# Altium PCB TEL-GPRS-BT-V1_0 Rev1.PcbDoc (part 1 of 2) (continued)
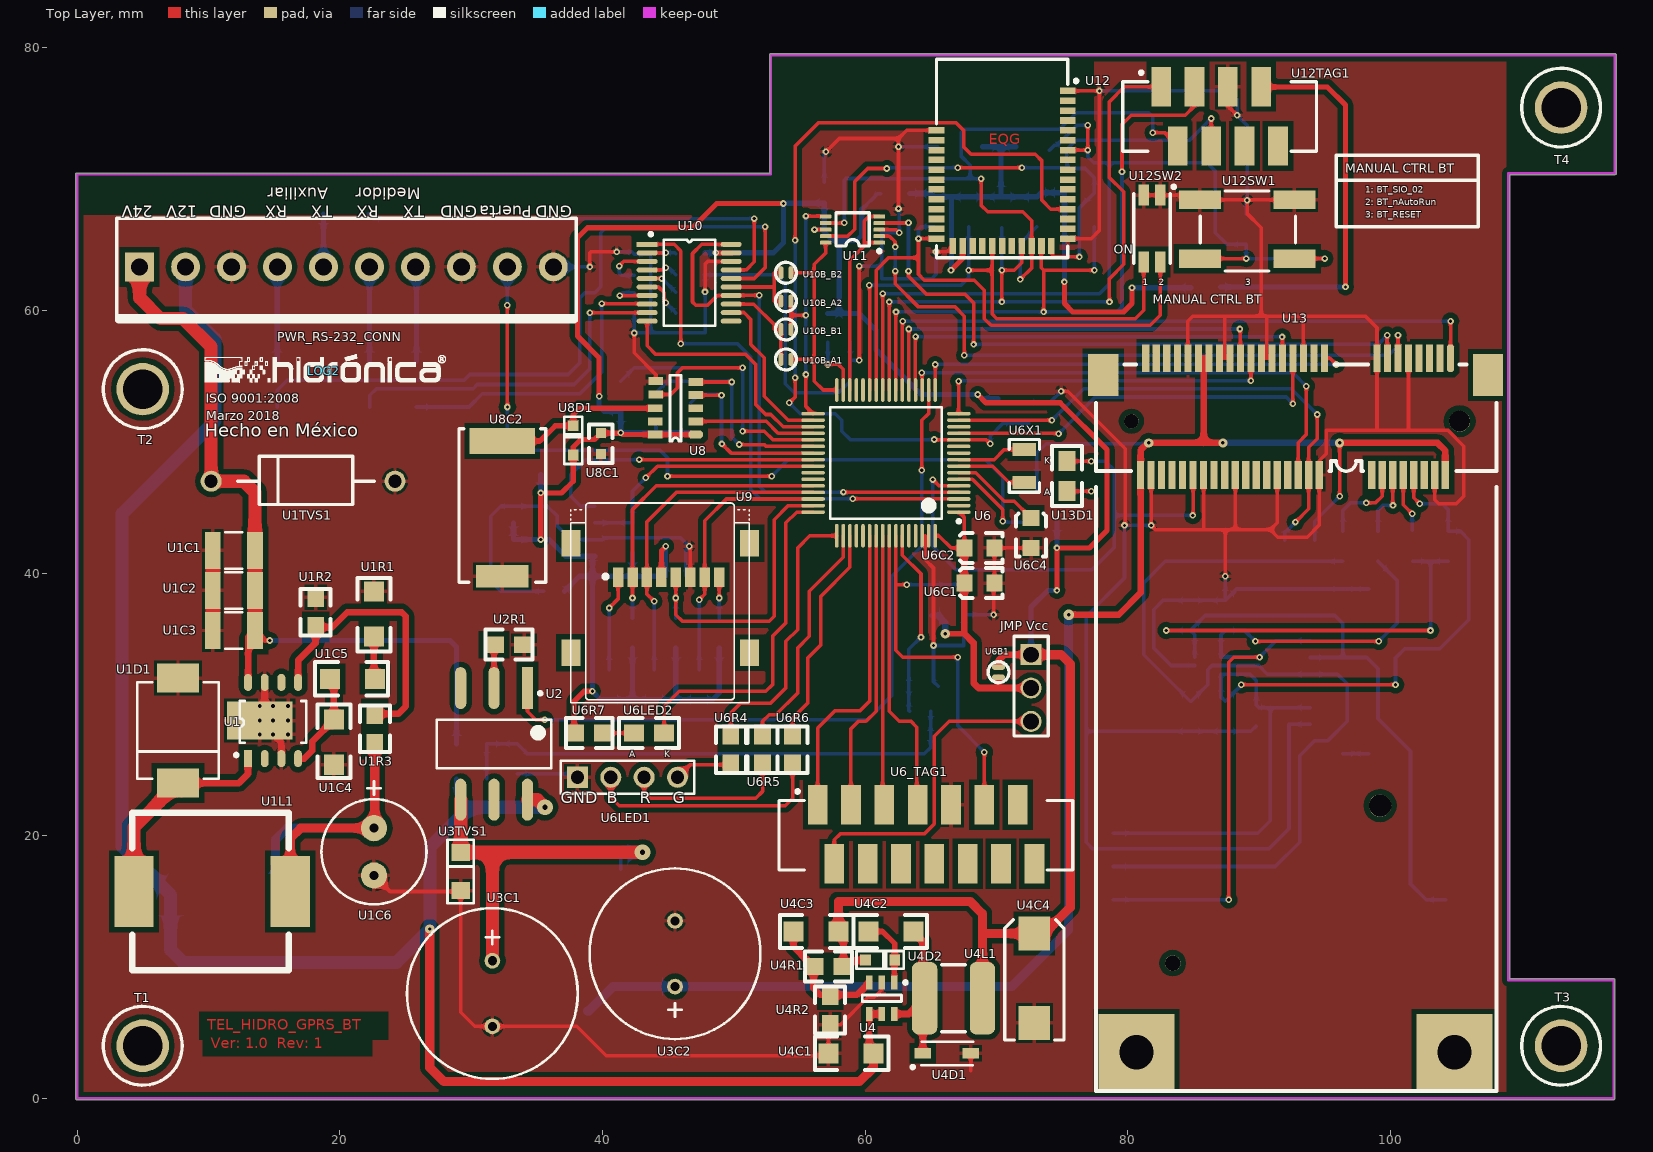
[diagram p0: Top Layer view]
## Footprints (in the part's own frame and the unit in brackets; to place one, negate y for a bottom-side part, rotate by r counter-clockwise, add the part's x,y. Pads: shape width x height; smd on the part's side, far side on the other; paste and mask are expansions set on the pad)
7X-1.8432MBC-T [mm]
  rect 1.4x1.2 smd: 1(0,0) 2(2.2,0) 3(2.2,1.7) 4(0,1.7)
  silkscreen extent -1.14,-1.02 2.7,2.1
"430 473 031 826" [mm] "6x6 mm SMD J-Bend washable WS-TASV White"
  rect 3.2x1.4 smd: 1(-3.6,-2.25) 1(3.6,-2.25) 2(-3.6,2.25) 2(3.6,2.25)
  silkscreen extent -3.56,-3.17 3.68,2.92, body extent -3.47,-3.1 3.73,3.1, height 3.1
"0603 - CAP" [mil]
  rect 30x30 smd: 1(-31.5,0) 2(31.5,0)
  silkscreen extent -58,-35 58,35, body extent -34,-15 29,16, height 12
0603-RES [mil]
  rect 30x30 smd: 1(-31.5,0) 2(31.5,0)
  silkscreen extent -58,-35 58,35, body extent -34,-16 29,16, height 18
0805-cap [mil]
  rect 60x50 smd: 1(0,0) 2(90,0)
  silkscreen extent -25,-45 115,45, body extent 6,-25 84,24, height 31
0805-LEDG [mil]
  rect 60x50 smd: 1(0,0) 2(90,0)
  silkscreen extent -45,-45 135,45, body extent 5,-25 85,24
0805-RES [mil]
  rect 60x50 smd: 1(0,0) 2(90,0)
  silkscreen extent -25,-45 115,45, body extent 0,-27 90,27, height 30
0805-tan [mm]
  rect 1.2x1.27 smd: 1(0,0) 2(2.286,0)
  silkscreen extent -0.32,-1.14 2.92,1.14, body extent 0.02,-0.64 2.27,0.71, height 1.35
0805-TAN [mm]
  rect 1.2x1.27 smd: 1(0,0) 2(2.286,0)
  silkscreen extent -0.32,-1.14 2.92,1.14, body extent 0.02,-0.64 2.27,0.71, height 1.35
1206-CAP [mil]
  rect 60x60 smd: 1(0,0) 2(135,0)
  silkscreen extent -40,-50 180,50, body extent 7,-30 133,33, height 63
1206-cap [mil]
  rect 60x60 smd: 1(0,0) 2(135,0)
  silkscreen extent -40,-50 180,50, body extent 7,-30 133,33, height 63
1206-IND [mil]
  rect 60x60 smd: 1(0,0) 2(135,0)
  silkscreen extent -40,-50 180,50, body extent 2,-31 128,31, height 43
1206-RES [mil]
  rect 60x60 smd: 1(0,0) 2(135,0)
  silkscreen extent -40,-50 180,50, body extent -1,-34 131,34, height 33
1210-CAP [mm]
  rect 1.2x2.8 smd: 1(-1.6,0) 2(1.6,0)
  silkscreen extent -0.64,-1.4 0.64,1.4, body extent -1.6,-1.25 1.6,1.25, height 2.5
1280-IND [mm]
  rect 3x5.4 smd: 1(-1,0) 2(10.9,-0.009)
  silkscreen extent -1.14,-6 10.79,6, body extent -1.17,-6 10.83,6, height 7.95
7343-31 [mm]
  rect 2.6x2.39 smd: 1(3.4,0) 2(-3.4,0)
  silkscreen extent -4.7,-2.25 4.44,2.25, body extent -3.8,-2.29 3.8,2.31, height 3.1
784774033 [mm]
  rrect50% 1.925x5.5 smd: 1(-2.2,0) 2(2.2,0)
  silkscreen extent -0.89,-2.54 0.89,2.54, body extent -2.89,-2.6 2.9,2.6, height 4.5
0786463001-SIM [mm]
  rect 1.4x0.65 smd: 1(-0.3,2.755) 2(-0.3,0.215) 3(-0.3,-2.325) 5(-0.3,4.025) 6(-0.3,1.485) 7(-0.3,-1.055)
  rect 1.3x0.45 smd: 5(2.17,-6.27) 5(2.17,6.27) 5(4.17,-6.27) 5(4.17,6.27)
  rect 1.7x1.4 smd: 5(13.73,-6.11) 5(13.73,6.11)
  rect 0.8x0.54 smd: X(13.15,-2.54) X(13.15,2.54)
  silkscreen extent 0,-6.35 14.73,6.35, body extent -0.38,-6.53 15.07,6.52, height 1.46
690367290876 [mm] "Würth Elektronic UDE Female SMD Stright Connector"
  rect 1.5x3 smd: 1(0,4.5) 2(1.27,0) 3(2.54,4.5) 4(3.81,0) 5(5.08,4.5) 6(6.35,0) 7(7.62,4.5) 8(8.89,0)
  silkscreen extent -2.94,-0.4 11.83,5.71
690367291476 [mm] "Würth Elektronic UDE Female SMD Stright Connector"
  rect 1.5x3 smd: 1(0,0) 2(1.27,-4.5) 3(2.54,0) 4(3.81,-4.5) 5(5.08,0) 6(6.35,-4.5) 7(7.62,0) 8(8.89,-4.5) 9(10.16,0) 10(11.43,-4.5) 11(12.7,0) 12(13.97,-4.5) 13(15.24,0) 14(16.51,-4.5)
  silkscreen extent -2.94,-4.97 19.43,1.14
691214110002x2_691214110003x2 [mm] "10 Position Wire to Board Terminal Block Horizontal with Board 0.200\" (5.08mm) Through Hole"
  round 0.6 on Top Overlay: 1(-18.161,3.175)
  rect 2.2x2.2 hole 1.3: 1(-15.75,0)
  round 2.2 hole 1.3: 2(-12.25,0) 3(-8.75,0) 4(-5.25,0) 5(-1.75,0) 6(1.75,0) 7(5.25,0) 8(8.75,0) 9(12.25,0) 10(15.75,0)
  silkscreen extent -17.5,-4.19 17.5,3.7
693072010801 [mm] "WR-CRD Micro SD_Hinge_8 pins"
  rect 0.8x1.5 smd: 1(-3.601,5.028) 2(-4.701,5.028) 3(-5.801,5.028) 4(-6.901,5.028) 5(-8.001,5.028) 6(-9.101,5.028) 7(-10.201,5.028) 8(-11.301,5.028)
  rect 1.45x2 smd: Z1(-13.601,10.778) Z2(-0.001,10.778) Z3(-13.601,2.428) Z4(-0.001,2.428)
  silkscreen extent -13.6,-0.62 0,14.58, body extent -14.05,0.88 0.45,14.58, height 1.78
ADG836 [mm]
  rrect50% 0.305x0.889 smd: 1(0,0) 2(0.5,0) 3(1,0) 4(1.5,0) 5(2,0) 6(2,4.089) 7(1.5,4.089) 8(1,4.089) 9(0.5,4.089) 10(0,4.089)
  silkscreen extent -0.76,-0.13 2.29,3.3
BT652 [mm] "Laird BL652 Bluetooth Module BLE"
  rect 1.2x0.5 smd: 1(0,0) 2(0,0.75) 3(0,1.5) 4(0,2.25) 5(0,3) 6(0,3.75) 7(0,4.5) 8(0,5.25) 9(0,6) 10(0,6.75) 11(0,7.5) 12(0,8.25) 13(0,9) 14(0,9.75) 15(0,10.5) 16(0,11.25) 28(10,11.25) 29(10,10.5) 30(10,9.75) 31(10,9) 32(10,8.25) 33(10,7.5) 34(10,6.75) 35(10,6) 36(10,5.25) 37(10,4.5) 38(10,3.75) 39(10,3)
  rect 0.5x1.2 smd: 17(1.25,11.8) 18(2,11.8) 19(2.75,11.8) 20(3.5,11.8) 21(4.25,11.8) 22(5,11.8) 23(5.75,11.8) 24(6.5,11.8) 25(7.25,11.8) 26(8,11.8) 27(8.75,11.8)
  silkscreen extent -0.76,-2.41 10,12.7, body extent 0,-2.3 10,11.7, height 2.1
"BYPASS BRIDGE" [mm]
  oval 0.4x1 smd: 1(-0.381,0) 2(0.381,0)
  silkscreen extent -0.8,-0.8 0.8,0.8
CAP-12.5X20X5 [mm]
  round 1.2 hole 0.7: 1(0,0) 2(5,0)
  silkscreen extent -4,-6.5 9,6.5, body extent -3.96,-6.48 8.98,6.48, height 22
CAPPR3.5-8x11.5 [mm]
  round 2 hole 0.7: 1(0,0) 2(3.6,0)
  silkscreen extent -3.56,-4 5.8,4, body extent -2.21,-4.03 5.84,4.03, height 11.83
CHS-02TA [mm]
  rect 0.8x1.6 smd: 1(0,0) 2(1.27,0) 3(1.27,5.08) 4(0,5.08)
  silkscreen extent -1.14,-0.76 2.03,5.21
D2PAK3-TO263 [mm] "D-PAK, 3-Pads, Body 6.2x6.7mm (max), IPC Medium Density"
  rect 3.81x1.05 smd: 1(-4.35,2.54) 3(-4.35,-2.54)
  rect 8.89x11.43 smd: 2(6.429,0)
  silkscreen extent -4.47,-3.35 -1.6,3.48, body extent -5.6,-5.08 9.66,5.08, height 4.98
DO-15 [mm]
  round 1.6 hole 1: 1(-7,0) 2(7,0)
  silkscreen extent -5.44,-1.91 4.98,1.78, body extent -7.23,-1.79 7.23,1.78, height 4.29
DO-214AB [mm]
  rect 2.2x3.2 smd: 1(4,0) 2(-4,0)
  silkscreen extent -3.68,-3.11 3.68,3.11, body extent -4.06,-3.05 4.06,3.05, height 2.4
DO-219AB [mm]
  rect 1.3x1.4 smd: 1(1.45,0) 2(-1.45,0)
  silkscreen extent -2.41,-1 2.41,1, body extent -1.95,-0.95 1.95,0.95, height 1.25
DSK-3R3H224U-HL [mm]
  rect 5x2 smd: 1(0,5.151)
  rect 4x1.7 smd: 2(0,-5.151)
  silkscreen extent -3.3,-5.59 3.3,6.1, body extent -3.4,-5.59 3.4,6.11, height 2.8
HDR1X3 [mm] "2.54mm THT Pin Header WR-PHD 3 terminales"
  rect 1.6x1.6 hole 1.2: 1(-2.54,0)
  round 1.6 hole 1.2: 2(0,0) 3(2.54,0)
  silkscreen extent -3.94,-1.3 3.65,1.3, body extent -3.94,-1.35 3.68,1.19, height 8.62
HDR1X4 [mm] "2.54mm THT Pin Header WR-PHD 4 pins"
  rect 1.6x1.6 hole 1: 1(-3.81,0)
  round 1.6 hole 1: 2(-1.27,0) 3(1.27,0) 4(3.81,0)
  silkscreen extent -5.08,-1.27 5.08,1.27, body extent -5.08,-1.27 5.08,1.27, height 8.62
"Logo HIDRONICA" [mm]
  silkscreen extent -9.09,-0.84 9.27,1.27
LQFP-64 [mm] "TSQFP, 64-Leads, Body 12.2x12.2mm (max), Pitch 0.50mm, IPC Medium Density"
  oval 1.8x0.27 smd: 1(-5.55,3.75) 2(-5.55,3.25) 3(-5.55,2.75) 4(-5.55,2.25) 5(-5.55,1.75) 6(-5.55,1.25) 7(-5.55,0.75) 8(-5.55,0.25) 9(-5.55,-0.25) 10(-5.55,-0.75) 11(-5.55,-1.25) 12(-5.55,-1.75) 13(-5.55,-2.25) 14(-5.55,-2.75) 15(-5.55,-3.25) 16(-5.55,-3.75) 33(5.55,-3.75) 34(5.55,-3.25) 35(5.55,-2.75) 36(5.55,-2.25) 37(5.55,-1.75) 38(5.55,-1.25) 39(5.55,-0.75) 40(5.55,-0.25) 41(5.55,0.25) 42(5.55,0.75) 43(5.55,1.25) 44(5.55,1.75) 45(5.55,2.25) 46(5.55,2.75) 47(5.55,3.25) 48(5.55,3.75)
  oval 0.27x1.8 smd: 17(-3.75,-5.55) 18(-3.25,-5.55) 19(-2.75,-5.55) 20(-2.25,-5.55) 21(-1.75,-5.55) 22(-1.25,-5.55) 23(-0.75,-5.55) 24(-0.25,-5.55) 25(0.25,-5.55) 26(0.75,-5.55) 27(1.25,-5.55) 28(1.75,-5.55) 29(2.25,-5.55) 30(2.75,-5.55) 31(3.25,-5.55) 32(3.75,-5.55) 49(3.75,5.55) 50(3.25,5.55) 51(2.75,5.55) 52(2.25,5.55) 53(1.75,5.55) 54(1.25,5.55) 55(0.75,5.55) 56(0.25,5.55) 57(-0.25,5.55) 58(-0.75,5.55) 59(-1.25,5.55) 60(-1.75,5.55) 61(-2.25,5.55) 62(-2.75,5.55) 63(-3.25,5.55) 64(-3.75,5.55)
  silkscreen extent -5.68,-4.25 4.25,4.57, body extent -6,-5.95 6,6.05, height 1.5
MINIPCI-52 [mm]
  oct 0.55x2.1 smd: 1(0.7,-4.8)
  rect 0.55x2.1 smd: 2(1.1,4.1) 3(1.5,-4.8) 4(1.9,4.1) 5(2.3,-4.8) 6(2.7,4.1) 7(3.1,-4.8) 8(3.5,4.1) 9(3.9,-4.8) 10(4.3,4.1) 11(4.7,-4.8) 12(5.1,4.1) 13(5.5,-4.8) 14(5.9,4.1) 15(6.3,-4.8) 16(6.7,4.1) 17(10.3,-4.8) 18(10.7,4.1) 19(11.1,-4.8) 20(11.5,4.1) 21(11.9,-4.8) 22(12.3,4.1) 23(12.7,-4.8) 24(13.1,4.1) 25(13.5,-4.8) 26(13.9,4.1) 27(14.3,-4.8) 28(14.7,4.1) 29(15.1,-4.8) 30(15.5,4.1) 31(15.9,-4.8) 32(16.3,4.1) 33(16.7,-4.8) 34(17.1,4.1) 35(17.5,-4.8) 36(17.9,4.1) 37(18.3,-4.8) 38(18.7,4.1) 39(19.1,-4.8) 40(19.5,4.1) 41(19.9,-4.8) 42(20.3,4.1) 43(20.7,-4.8) 44(21.1,4.1) 45(21.5,-4.8) 46(21.9,4.1) 47(22.3,-4.8) 48(22.7,4.1) 49(23.1,-4.8) 50(23.5,4.1) 51(23.9,-4.8) 52(24.3,4.1)
  rect 2.3x3.2 smd: ""(-2.15,-3.5) ""(27.15,-3.5)
  round 1.6 hole 1.6 unplated: ""(0,0)
  rect 5.8x5.8 hole 2.6: ""(0.4,48.05) ""(24.6,48.05)
  round 1.1 hole 1.1 unplated: ""(25,0)
  silkscreen extent -2.79,-4.32 27.69,51, body extent -2.41,-4.67 27.49,4.42, height 4.1
RV-3029-C2 [mm]
  oct 1.1x0.6 smd: 1(0,0)
  rect 1.1x0.6 smd: 2(0,-1) 3(0,-2) 4(0,-3) 5(0,-4) 6(3.048,-4.064) 7(3.048,-3.048) 8(3.1,-2) 9(3.1,-1) 10(3.1,0)
  silkscreen extent 1.13,-4.5 1.96,0.5, body extent 0,-4.5 3.2,0.5, height 1.18
SC70-6 [mm] "6-Leads, Body 2.2x2.5mm (max), Pitch 0.65mm, IPC Medium Density"
  rect 1x0.4 smd: 1(-1,0.65) 2(-1,0) 3(-1,-0.65) 4(1,-0.65) 5(1,0) 6(1,0.65)
  silkscreen extent -1.12,-1.1 0.1,1.52, body extent -1.2,-1.1 1.2,1.1, height 1.1
SIM-6 [mm]
  round 1.7 hole 1.7: 0(-2.1,4.98)
  round 1.2 hole 1.2: 0(9.9,20.78)
  rect 1.4x1.8 smd: 1(0,25.3) 2(2.54,25.3) 3(5.08,25.3) 5(0,0) 6(2.54,0) 7(5.08,0)
  silkscreen extent -4.83,-3.81 12.45,25.91, body extent -4.79,-3.8 12.41,25.9, height 2.35
SOD-123 [mm]
  rect 1.25x0.8 smd: 1(-1.825,0) 2(1.825,0)
  silkscreen extent -2,-0.89 2.72,1.17, body extent -1.94,-0.94 1.91,0.76, height 1.42
SOD-323 [mm]
  rect 0.83x0.83 smd: 1(-1.112,0) 2(1.112,0)
  silkscreen extent -1.8,-0.67 1.8,0.67, body extent -1.3,-0.68 1.3,0.68, height 1.1
SOIC-8 [mm]
  rect 1.5x0.6 smd: 1(-3.1,1.905)
  oval 1.5x0.6 smd: 2(-3.1,0.635) 3(-3.1,-0.635) 4(-3.1,-1.905) 5(3.1,-1.905) 6(3.1,-0.635) 7(3.1,0.635) 8(3.1,1.905)
  silkscreen extent -2.6,-2.54 1.64,2.93, body extent -3,-2.45 3,2.45, height 1.7
SOIC-8-T [mm]
  rect 1.3x0.6 smd: 1(-2.9,1.905)
  oval 1.3x0.6 smd: 2(-2.9,0.635) 3(-2.9,-0.635) 4(-2.9,-1.905) 5(2.9,-1.905) 6(2.9,-0.635) 7(2.9,0.635) 8(2.9,1.905)
  round 0.6 hole 0.3: 9(-1.049,-1.143) 9(-1.049,0) 9(-1.049,1.016) 9(0,1.016) 9(0,0) 9(0,-1.143) 9(1.11,-1.143) 9(1.11,0) 9(1.11,1.016)
  rect 2.9x5 smd: 9(0,1.005)
  silkscreen extent -2.75,-2.54 1.49,2.93, body extent -3.16,-2.45 2.84,2.45, height 1.7
SOP-6 [mm] "SOP, 6-Leads, Body 8.55x6.40mm, Pitch 2.54mm, IPC Medium Density"
  rect 3.2x0.85 smd: 1(-4.25,2.54)
  oval 3.2x0.85 smd: 2(-4.25,0) 3(-4.25,-2.54) 4(4.25,-2.54) 5(4.25,0) 6(4.25,2.54)
  silkscreen extent -3.97,-4.35 1.85,4.35, body extent -4.51,-4.26 4.66,4.25, height 4.1
SOT23-6 [mm]
  rect 1.1x0.5 smd: 1(-1.2,0.95) 2(-1.2,0) 3(-1.2,-0.95) 4(1.2,-0.95) 5(1.2,0) 6(1.2,0.95)
  silkscreen extent -1.32,-1.5 0.25,1.93, body extent -1.4,-1.5 1.4,1.5, height 0.86
Tornillo [mm]
  round 4 hole 3 unplated: 1(0,0)
  silkscreen extent -3,-3 3,3, body extent -2.67,-2.67 2.67,2.67, height 2.01
TSSOP-20 [mm]
  rect 1.6x0.38 smd: 1(-3.2,2.925)
  oval 1.6x0.38 smd: 2(-3.2,2.275) 3(-3.2,1.625) 4(-3.2,0.975) 5(-3.2,0.325) 6(-3.2,-0.325) 7(-3.2,-0.975) 8(-3.2,-1.625) 9(-3.2,-2.275) 10(-3.2,-2.925) 11(3.2,-2.925) 12(3.2,-2.275) 13(3.2,-1.625) 14(3.2,-0.975) 15(3.2,-0.325) 16(3.2,0.325) 17(3.2,0.975) 18(3.2,1.625) 19(3.2,2.275) 20(3.2,2.925)
  silkscreen extent -3.04,-3.29 1.99,3.82, body extent -3.28,-3.3 3.27,3.3, height 1.2
"XTAL SMD 3.2 X 1.5" [mm] "XTAL SMD 32.768 KHz 3.2 x 1.5 x 0.9 mm"
  rect 1x1.8 smd: 1(0,0) 2(2.5,0)
  silkscreen extent -0.76,-1.14 3.25,1.14

## Part data
"JMP Vcc": library part CON3, "2.54mm THT Pin Header WR-PHD 3 terminales"
LOG2: library part Logotipo, "No Aplica"
PWR_RS-232_CONN: library part "Header 10H", "10 Position Wire to Board Terminal Block Horizontal with Board 0.200\" (5.08mm) Through Hole"
T1 T2 T3 T4: library part PRUEBA, "No Aplica"
U1: library part L5973AD, "IC REG SW 2A STEPDOWN 8-SOIC"
U1C1 U1C2 U1C3: library part Cap, "CAP CER 10UF 50V Y5V 1210"
U1C4: library part Cap, "CAP CERAMIC 220PF 50V NP0 1206"
U1C5: library part Cap, "CAP 22000PF 50V CERAMIC X7R 1206"
U1C6: library part Cap2, "Capacitor"
U1D1: library part "D Schottky", "DIODE SCHOTTKY 60V 5A SMC"
U1D2: library part Diode, "DIODE SCHOTTKY 3A 40V SMC"
U1L1: library part IND, "WE-PD SMD Shielded Power Inductor 100uH"
U1R1: library part Res1, "RES 4.7K OHM 1/4W 5% 1206 SMD"
U1R2: library part Res1, "RES 2.70K OHM 1/8W 1% 0805 SMD"
U1R3: library part Res1
U1TVS1: library part Tranzorb, "TVS 33 VOLT 600 WATT UNI-DIR TRANZORB"
U2: library part "Opto TRIAC", "RELAY OPTOMOS 1.8A SPST-NO 6-SMD"
U2R1: library part Res1, "RES SMD 1.2K OHM 1% 1/8W 0805"
U3: library part LD1117A, "Linear Voltage Regulator IC Positive Fixed 1 Output 3.3V 3A DDPAK/TO-263-3"
U3C1 U3C2: library part "Cap Pol1", "470µF 50V Aluminum Capacitors Radial, Can 27 mOhm @ 100kHz 5000 Hrs @ 105°C"
U3TVS1: library part Tranzorb, "TVS DIODE 18VWM 29.2VC SMF"
U4: library part LT1934, "LINEAR TECHNOLOGY  LT1934  IC REG BUCK ADJ 0.3A SOT23-6"
U4C1: library part Cap, "CAP CER 2.2UF 50V 10% X5R 1206"
U4C2: library part Cap, "CAP CER 0.22UF 50V 10% X7R 1206"
U4C3: library part Cap, "CAP CER 10PF 50V 10% NP0 1206"
U4C4: library part "Cap Pol1", "CAP TANT 100UF 16V 10% 2917"
U4D1: library part "D Schottky", "DIODE SCHOTTKY 40V 500MA SOD123"
U4D2: library part "D Schottky", "DIODE SCHOTTKY 30V 100MA SOD323"
U4L1: library part Inductor, "WE-PD2A SMD Power Inductor"
U4R1: library part Res1, "RES SMD 1M OHM 0.1% 1/8W 0805"
U4R2: library part Res1, "RES SMD 604K OHM 0.1% 1/8W 0805"
U5C1: library part Cap, "CAP CER 0.22UF 16V 10% X7R 0603"
U5D1: library part "D Zener", "PANASONIC ELECTRONIC COMPONENTS  DZ2J030M0L  DIODE, ZENER, 3.0V, SMINI2-F5-B"
U5R1: library part Res1, "VISHAY  CRCW08054M22FKEA  Resistencia SMD Chip, Película Gruesa, 4.22 Mohm, 150 V, 0805 [2012 Metric], 125 mW, ± 1%"
U5R2: library part Res1, "VISHAY  CRCW08051M00FKEB  Resistencia SMD Chip, Película Gruesa, 1 Mohm, 150 V, 0805 [2012 Metric], 125 mW, ± 1%"
U5R3: library part Res1, "VISHAY  CRCW080510M0JNEA  Resistencia SMD Chip, Película Gruesa, 10 Mohm, 150 V, 0805 [2012 Metric], 125 mW, ± 5%"
U5R4: library part Res1, "YAGEO  RC0603JR-07390RL  Resistencia SMD Chip, Película Gruesa, Serie RC, 390 ohm, 50 V, 0603 [1608 Metric], 100 mW, ± 5%"
U6: library part MSP430F16xx, "IC MCU 16BIT 48K FLASH 64-LQFP"
U6_TAG1: library part CON14, "2.54mm SMT Dual Pin Header WR-PHD 2x7 pin"
U6B1 U10B_A1 U10B_A2 U10B_B1 U10B_B2: library part Res1, "No Aplica"
U6C1 U6C2 U6C3 U6C4 U12C2: library part "Cap Pol1", "AVX - TACU105M016X - CAP TANT 1UF, 16V, 7.5OHM, 0805"
U6C5 U7C1 U8C1 U9C1 U10C1 U10C2 U10C3 U10C4 U10C5 U11C1 U14C1: library part Cap, "MULTICOMP - MC0603B104K500CT - CAP CERAMIC 0.1UF, 50V, X7R, 0603"
U6LED1: library part RGB-Catodo, "KINGBRIGHT  L-154A4SURKQBDZGW  LED, RGB, Rojo, Verde, Azul, Through Hole, T-1 3/4 (5mm), 60 °, Abovedada, R 20mA, G 20mA, B 20mA"
U6LED2 U13D1: "WL-SMCW SMD mono-color chip LED waterclear 0805 Green"
U6R1 U6R3: library part Res1, "VISHAY DALE  VISHAY DALE  CRCW1206100KFKEA  RESISTOR, THICK FILM, 100KOHM, 500mW, 1%"
U6R2 U7R1 U7R2 U8R1 U8R2 U8R3 U9R1 U9R2 U9R3 U9R4 U9R5 U9R6 U13R1 U13R3: library part RES1, "PANASONIC ELECTRONIC COMPONENTS  ERJ-8GEYJ103V  THICK FILM CHIP RESISTOR, 10 KOHM, 0.1 W, 0.5%"
U6R4 U6R5 U6R6: library part Res1, "RES SMD 3.3K OHM 5% 1/8W 0805"
U6R7 U13R2: library part Res1, "PANASONIC ELECTRONIC COMPONENTS  ERJ-6GEYJ821V  Resistencia SMD Chip, Película Gruesa, 820 ohm, 150 V, 0805 [2012 Metric], 125 mW, ± 5%"
U6X1: library part CRYSTAL, "Crystal 32.7680kHz 20ppm 12.5pF 50 kOhm -40°C - 85°C Surface Mount Cylindrical Can, Radial"
U7: library part AT24C1024BN-SH-B, "IC EEPROM 1MBIT 1MHZ 8SOIC"
U8: library part "RV-3029-C2 B", "MICRO CRYSTAL - RV-3029-C2 OPTION B - REAL-TIME-CLOCK, SMD, I2C, 32.768KHZ"
U8C2: library part Cap2, "CAP 220MF -20% +80% 3.3V SMD"
U8D1 U12D1 U12D2: library part 10MQ060N, "DIODE SCHOTTKY 1A 20V SOD-323"
U9: "WR-CRD Micro SD_Hinge"
U10: "IC LINE DRVR/RCVR RS232 20-TSSOP"
U10L1 U10L2 U10L3 U10L4: library part Inductor, "FERRITE BEAD 1000 OHM .20A 1206"
U12: library part BL652_SA
U12C1: library part Cap2, "CAP TANTALUM 10UF 6.3V 10% SMD"
U12R1 U12R2 U12R3 U12R4 U12R5 U12R6 U12R7: library part Res1, "RES SMD 4.7K OHM 5% 1/8W 0805"
U12SW1: library part SW-PB, "SWITCH LT 6MM 130GF H=3.1MM SMD"
U12SW2: "DIP Switch, 2 Position, SPST"
U12TAG1: "Header, 4-Pin, Dual row"
U13: library part PCIM, "Mini PCIe"
U14_A: library part "Header 6", "'6 Position Card Connector Micro SIM Surface Mount, Right Angle Gold"
U14_B: library part "Header 6", "6 Position Card Connector SIM Card Surface Mount, Right Angle Gold"
U14C2 U14C3 U14C4 U14C5: library part Cap, "33pF 50V Ceramic Capacitor C0G, NP0 0805 (2012 Metric) 0.079\" L x 0.049\" W (2.00mm x 1.25mm)"
U14R1: library part Res1, "RES SMD 15K OHM 1% 1/8W 0805"
U14R2 U14R3 U14R4: library part Res1, "RES SMD 22 OHM 1% 1/8W 0805"
U14TVS1: library part "Header 6", "TVS DIODE 5VWM 12.5VC SC70-6"

## Via types
v1: diameter 0.5, hole 0.25, Top Layer to Bottom Layer, tented both sides, 153 vias
v2: diameter 0.7, hole 0.25, Top Layer to Bottom Layer, tented both sides, 5 vias
v3: diameter 1.2, hole 0.4, Top Layer to Bottom Layer, tented both sides, 2 vias
v4: diameter 0.8, hole 0.25, Top Layer to Bottom Layer, tented both sides, 1 vias

## Nets (pads, with @x,y where several pads share a name; then routed paths per layer and width w, separated by ;. In a path a pad name is that pad's centre, name@x,y a point inside that pad or via, vN(x,y) a via of type N, cw(c..) or ccw(c..) an arc to the next point about the centre after c; other vN are vias at no path point)
3.3V: "JMP Vcc.1" U4C3.2 U4C4.1 U4D2.1 U4L1.2 U4R1.2 U6B1.2 U6R2.2 U6R3.2 U6R7.2 U6X2.1 U6X2.4 U7.2 U7.3 U7.8 U7C1.2 U7R1.2 U7R2.2 U8.1 U8.10 U8C1.1 U8D1.1 U8R1.2 U8R2.2 U8R3.1 U9.4 U9C1.1 U9R1.2 U9R2.2 U9R3.2 U9R4.2 U9R5.2 U9R6.2 U10.19 U10C1.2 U11.8 U11C1.2 U12D1.1 | length 255.8
  Top Layer w0.27: v1(41.402,50.673) v1@41.529,50.546 ; v1(48.641,64.389) v1@48.652,64.378 ; v1(56.15,66.151) U11.8@56.998,66.151
  Top Layer w0.4: v1(35.306,42.545) v1(35.306,46.101) 36.893,46.101 37.782,46.99 U8D1.1@37.782,48.989 37.782,49.593 38.354,50.165 39.395,50.165 U8C1.1@39.878,50.648 v1@41.377,50.648 ; U6R7.2@37.846,27.813 37.846,30.226 38.608,30.988 v1(39.243,30.988) ; v1(39.751,53.467) 39.751,56.388 38.1,58.039 38.1,65.532 38.862,66.294 46.863,66.294 48.704,68.135 v1(53.785,68.135) ; v1@41.529,50.546 U8.10@44.017,50.546 U8.1@47.117,50.546 ; U9.4@44.493,39.676 44.493,41.699 v1(44.831,42.037) ; v1@48.652,64.378 U10.19@49.809,64.378 ; v1(68.58,53.594) 69.215,52.959 74.867,52.959 78.422,49.403 78.422,43.243 77.089,41.91 v1(74.612,41.91) v1(74.612,38.672) ; U6B1.2@70.168,32.829 70.168,33.337
  Top Layer w0.5: U4C3.2@57.975,12.7 58.356,12.319 U4R1.2@58.356,10.033 58.801,10.477 U4D2.1@59.975,10.477 ; 70.168,33.337 70.612,33.782 72.644,33.782 ; U4C4.1@72.898,12.544 U4C4.1@73.631,12.544
  Top Layer w0.7: U4C3.2@57.975,12.7 57.975,14.986 68.008,14.986 68.939,14.056 U4L1.2@68.939,7.62 ; 68.967,12.544 U4C4.1@72.898,12.544 ; 72.644,33.782 74.93,33.782 75.629,33.084 75.629,14.541 U4C4.1@73.631,12.544
  Bottom Layer w0.27: U7.8@39.243,41.096 U7.8@39.422,41.275 ; U8R2.2@44.069,50.673 U8R2.2@44.069,51.435 ; v1@44.793,41.999 v1(44.831,42.037) ; U10C1.2@47.752,64.3 U10C1.2@47.841,64.389 ; 59.753,67.691 60.96,68.897 U12D1.1@61.181,68.897
  Bottom Layer w0.4: U7.3@33.222,43.815 U7.2@33.222,42.545 v1(35.306,42.545) 35.941,42.545 37.211,41.275 U7.8@39.422,41.275 ; v1(35.306,46.101) U7R2.2@35.306,47.498 ; U7C1.2@37.122,38.608 38.265,39.751 39.243,39.751 ; U7.8@39.243,41.096 39.243,39.751 ; v1(39.751,53.467) 39.751,52.705 40.132,52.324 U8R3.1@41.402,52.324 v1(41.402,50.673) 44.069,50.673 U8R1.2@46.736,50.673 ; U9R2.2@42.291,34.29 42.291,30.353 ; U7R1.2@42.291,41.529 42.291,39.751 ; v1@44.793,41.999 U9C1.1@44.793,39.751 42.291,39.751 ; U9R4.2@45.593,34.29 45.593,30.353 ; U10C1.2@47.841,64.389 v1(48.641,64.389) 53.023,64.389 53.785,65.151 v1(53.785,68.135) ; U9R6.2@48.895,34.29 48.895,30.861 48.387,30.353 U9R5.2@47.371,30.353 45.593,30.353 ; v1@53.785,68.161 U11C1.2@56.896,68.161 56.896,65.977 57.531,65.341 59.372,65.341 59.753,65.722 59.753,67.691 ; v1(56.15,66.151) 56.721,66.151 ; U6X2.4@57.165,59.753 U6X2.1@58.864,59.753 59.563,59.753 60.833,58.483 60.833,57.023 64.262,53.594 v1(68.58,53.594) 68.897,53.276 U6R2.2@70.104,53.276 ; 58.039,59.753 58.039,65.341 ; 72.644,33.782 72.644,37.401 73.914,38.672 v1(74.612,38.672) ; v1(74.612,41.91) U6R3.2@74.612,43.879 ; 39.243,39.751 42.291,39.751 ; 39.243,39.751 v1(39.243,30.988) 39.878,30.353 U9R1.2@40.513,30.353 42.291,30.353 ; 42.291,30.353 45.593,30.353
3.3V_USB: U12D2.1 U12TAG1.7 | length 30.3
  Top Layer w0.4: U12TAG1.7@90.17,77.017 95.195,77.017 96.584,75.629 v1(96.584,61.785)
  Bottom Layer w0.4: U12D2.1@87.091,61.785 v1(96.584,61.785)
3.3VP: U3.2 U3C2.1 U13.2 U13.39 U13.41 U13.52 U13R1.2 U13R2.2 U13R3.2 | length 132.9
  Top Layer w0.27: v1(96.139,45.847) v2(96.139,49.911)
  Top Layer w0.5: v4(75.501,36.83) 79.311,36.83 80.983,38.502 U13.52@80.983,47.462 80.983,49.36 v2@81.539,49.916 ; v2@81.597,49.916 85.788,49.916 ; U13.41@85.383,56.362 85.788,56.362 ; U13.39@86.183,56.362 85.788,56.362 ; v2@87.244,49.916 85.788,49.916 ; v2(96.139,49.911) 103.591,49.911 104.183,49.319 U13.2@104.183,47.462 ; 85.788,49.916 85.788,56.362
  Bottom Layer w0.27: U13R2.2@73.088,46.228 U13R3.2@73.088,48.514 73.088,49.149 73.787,49.847 81.534,49.847 v2(81.597,49.911) ; U13R1.2@94.234,42.481 94.234,43.942 v1(96.139,45.847)
  Bottom Layer w0.5: v2(87.249,49.911) v2(96.139,49.911)
  Bottom Layer w0.7: U3.2@38.862,6.652 38.974,6.652 40.831,8.509 U3C2.1@45.529,8.509 71.183,8.509 75.501,12.827 v4(75.501,36.83)
7.2V-12V: PWR_RS-232_CONN.2 U1D2.2 U2.6 U4.4 U4.5 U4C1.2 U5R1.2 | length 149.3
  Top Layer w0.27: U2.6@34.29,22.733 U2.6@34.29,22.738 ; U4C1.2@60.328,3.744 U4C1.2@60.642,3.429
  Top Layer w0.5: U4C1.2@60.328,3.744 U4.4@60.328,6.42 U4.5@61.277,6.42
  Top Layer w0.7: v2(26.86,12.89) 26.86,2.349 27.94,1.27 59.563,1.27 60.642,2.349 U4C1.2@60.642,3.429
  Top Layer w1: U2.6@34.29,22.738 35.047,22.738 v3(35.623,22.162)
  Bottom Layer w0.4: U5R1.2@28.892,24.32 28.892,23.177 29.909,22.162
  Bottom Layer w1: PWR_RS-232_CONN.2@8.261,63.309 8.26,60.066 10.477,57.848 10.477,51.562 3.429,44.514 3.429,19.178 U1D2.2@7.113,15.494 7.113,11.302 8.064,10.351 24.32,10.351 v2(26.86,12.89) 26.86,19.113 29.909,22.162 v3(35.623,22.162)
24-32V: PWR_RS-232_CONN.1@4.761,63.309 U1.8 U1C1.2 U1C2.2 U1C3.2 U1TVS1.2 U5R3.2 | length 61.2
  Top Layer w0.4: U1C3.2@13.538,35.623 14.3,34.861 v1(14.668,34.861)
  Top Layer w0.5: U1.8@13.018,31.665 13.018,35.103 U1C3.2@13.538,35.623
  Top Layer w1: PWR_RS-232_CONN.1@4.761,63.309 4.761,60.962 6.35,59.372 8.064,59.372 10.208,57.229 U1TVS1.2@10.208,46.99 12.7,46.99 13.538,46.152 U1C1.2@13.538,41.719 U1C2.2@13.538,38.672 U1C3.2@13.538,35.623
  Bottom Layer w0.4: v1(14.668,34.861) 28.384,34.861 28.892,34.353 U5R3.2@28.892,26.988
BT_CTS: U6.23 U12.18 U12R5.2 U12TAG1.3 | length 57.1
  Top Layer w0.27: U6.23@62.345,53.937 62.345,59.868 v1(62.357,59.88) ; U12.18@73.438,64.908 73.406,64.876 73.406,63.246 73.596,63.055 ; v1(73.596,59.88) 73.596,63.055 ; v1(77.47,63.055) 73.596,63.055 ; v1(79.566,70.549) 79.566,74.168 80.264,74.867 84.391,74.867 85.09,75.565 U12TAG1.3@85.09,77.017
  Bottom Layer w0.27: v1(62.357,59.88) v1(73.596,59.88) 79.184,59.88 79.566,60.261 v1(79.566,70.549) ; v1(77.47,63.055) U12R5.2@77.47,66.358
BT_DETECT_CONN: U6.12 U6C5.1 U6R2.1 U12.13 | length 67.4
  Top Layer w0.27: v1(54.229,52.959) 54.673,53.404 v1(54.673,54.864) ; v1(54.673,65.341) 54.673,72.517 56.451,74.295 66.929,74.295 67.501,73.724 67.501,72.453 68.072,71.882 72.962,71.882 73.469,71.374 73.469,68.389 74.151,67.708 U12.13@75.438,67.708 ; v1(65.278,50.165) 65.306,50.137 U6.12@67.145,50.137 69.243,50.137 v1(69.532,49.847)
  Bottom Layer w0.27: v1(54.229,52.959) 55.054,52.133 57.721,52.133 58.229,51.625 58.229,50.8 58.864,50.165 v1(65.278,50.165) ; v1(54.673,54.864) v1(54.673,65.341) ; v1(69.532,49.847) 69.532,50.419 70.51,51.397 U6C5.1@72.454,51.397
BT_NAUTORUN: U6.26 U12.28 U12R2.2 U12SW2.4 | length 44.5
  Top Layer w0.27: U6.26@60.845,53.937 60.845,63.067 61.785,64.008 64.072,64.008 ; U12.28@65.427,65.468 v1(64.072,65.468) 64.072,62.738 64.516,62.293 68.326,62.293 69.088,61.531 69.088,59.372 69.596,58.864 81.724,58.864 82.486,59.627 U12SW2.4@82.486,63.691
  Bottom Layer w0.27: v1(64.072,65.468) 64.072,66.167 64.262,66.358 U12R2.2@65.278,66.358